# KiCad board Engine.kicad_pcb (continued)
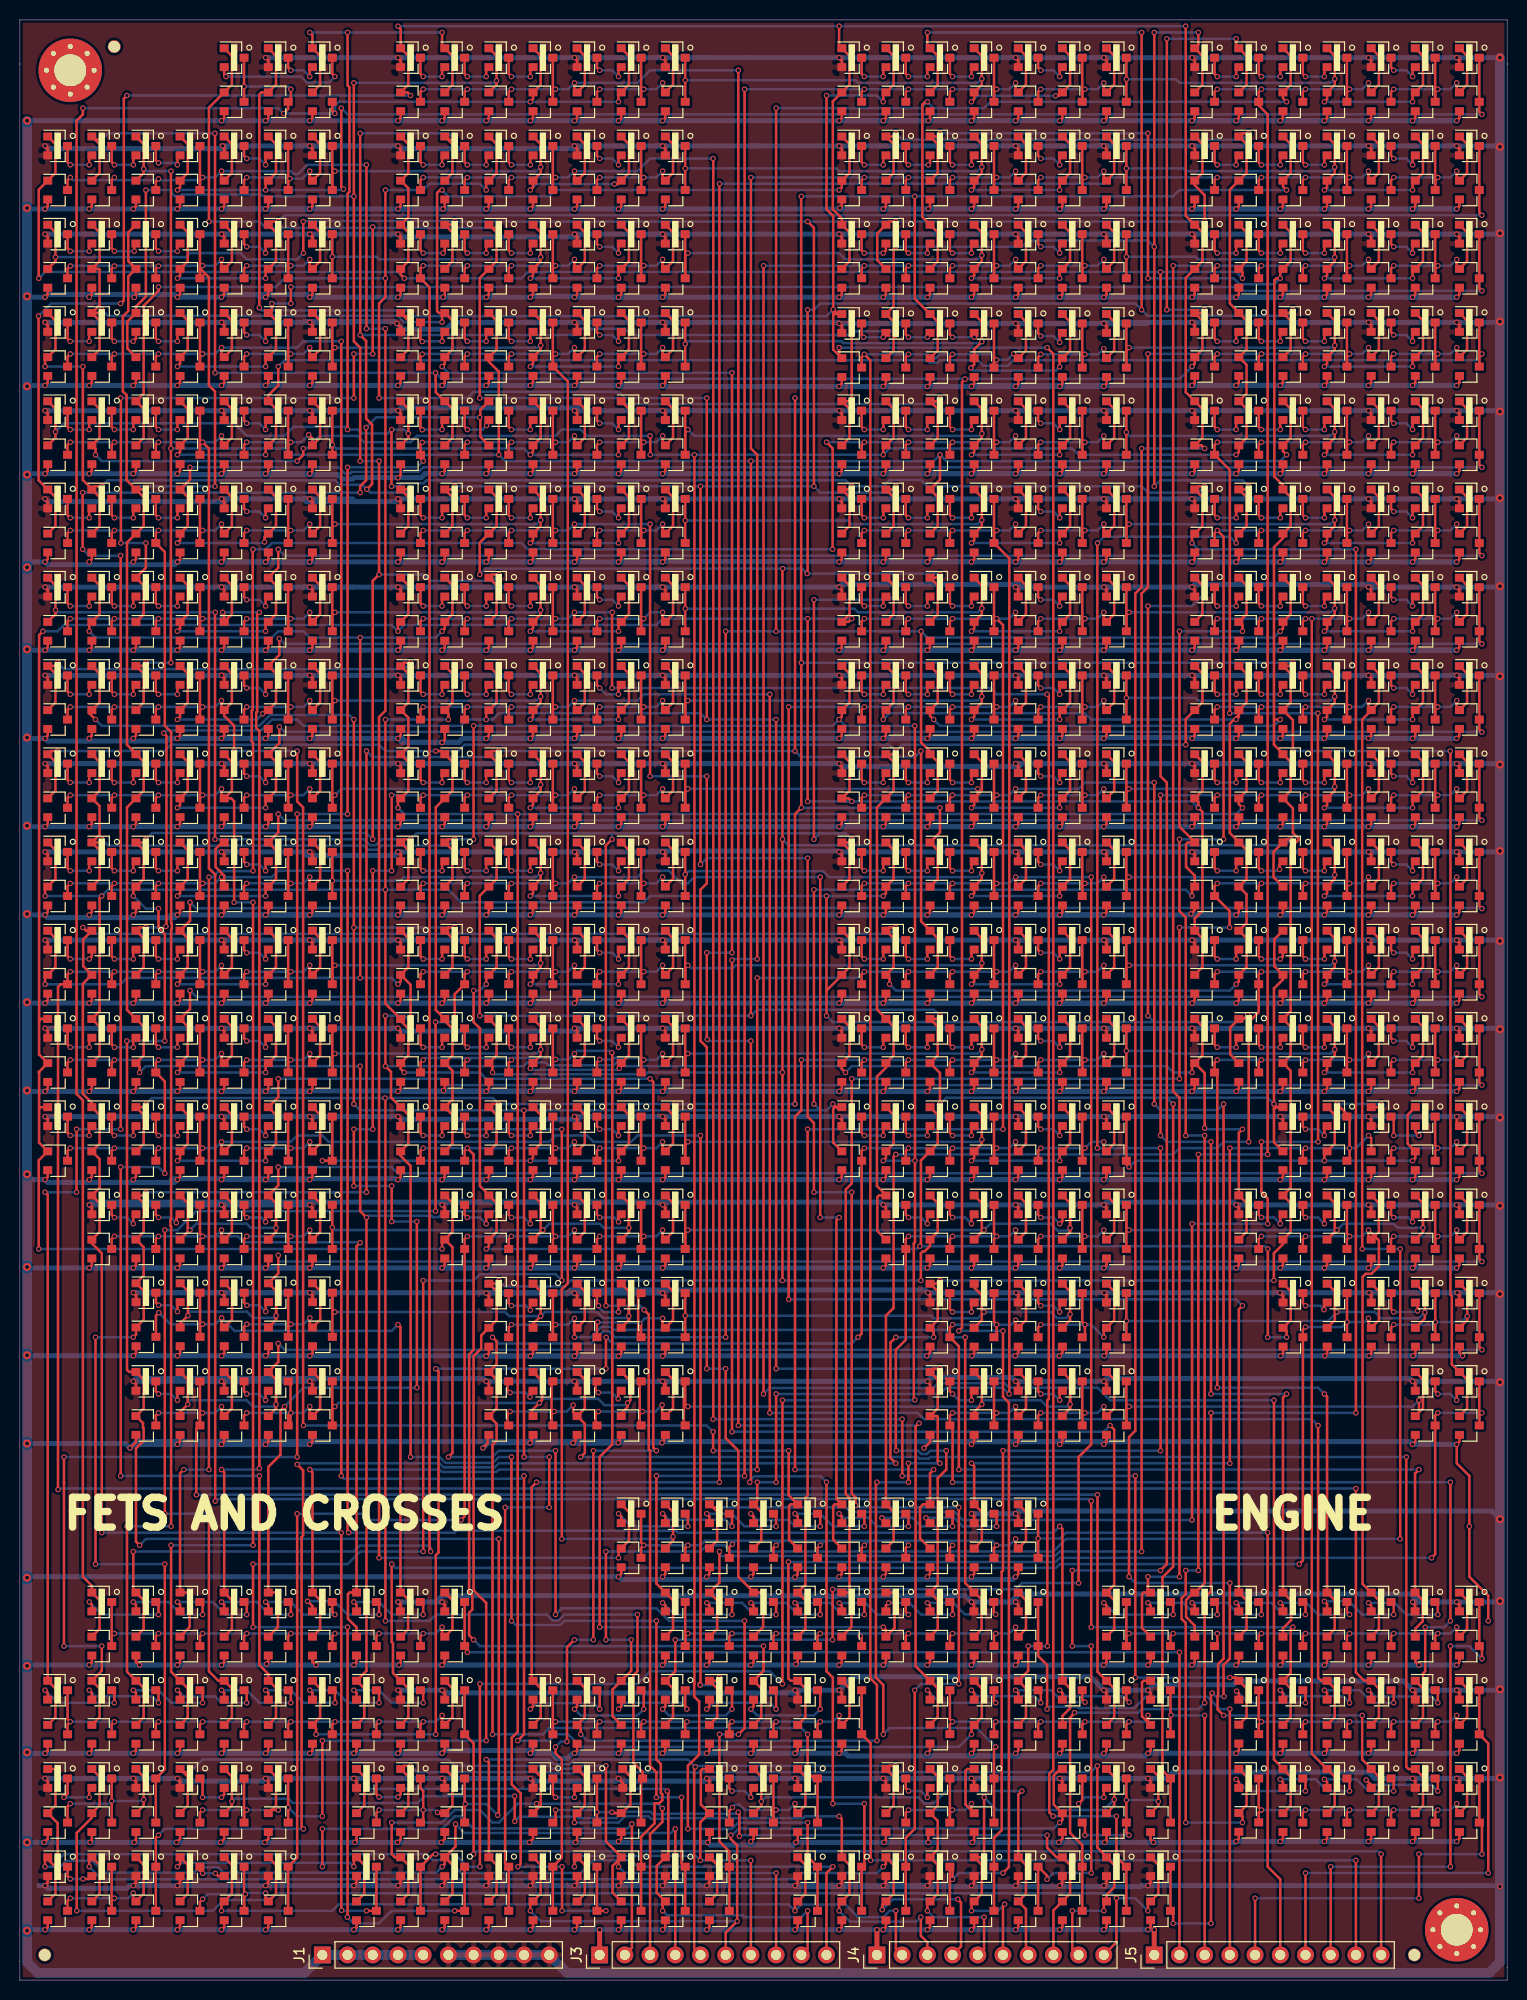
[diagram p0: board, top side]
## Routing (per net, layer and track width the routed paths; a pad name or vN(x,y) marks a point on that pad's centre or on a via; arc(x,y) is an arc through that point) (continued)
/Sheet6049469B/Q7: length 510.5
  Top w0.25: 127.27,185.73 128.05,184.96 128.05,182.07 Q1053.1 127.27,180.7 v1(127.64,180.34) ; Q543.1 92.49,110.95 92.49,113.84 Q541.1 92.71,115.61 v1(92.71,118.11) ; Q907.1 92.49,164.18 92.49,167.07 Q905.1 90.17,169.39 v1(90.17,179.7) ; Q365.1 12.48,84.28 12.48,87.17 Q363.1 12.38,87.94 v1(12.7,88.26) ; Q379.1 48.04,84.28 48.04,87.17 Q377.1 47.58,88.26 v1(48.26,88.26) ; v1(128.27,123.82) 128.27,126.95 Q725.1 128.05,128.73 128.05,131.62 Q723.1 127.95,132.39 v1(128.27,132.71) ; v1(36.8,88.87) 36.83,88.83 v1(36.83,36.19) ; v1(78.11,88.26) 78.11,117.47 v1(78.74,118.11) v1(78.74,132.71) 78.72,132.73 78.72,179.69 v1(78.74,179.7) ; Q358.1 145.83,57.61 145.83,60.5 144.28,62.04 144.28,68.93 144.14,69.07 144.14,123.8 v1(144.12,123.82) ; Q80.3 62.59,20.16 Q79.3 62.75,20.97 61.82,21.9 61.82,30.7 62.23,31.11 v1(62.23,36.83)
  Bottom w0.25: v1(12.7,88.26) 13.3,88.87 v1(36.8,88.87) 47.66,88.87 v1(48.26,88.26) v1(78.11,88.26) ; v1(144.12,123.82) v1(128.27,123.82) ; v1(92.71,118.11) v1(78.74,118.11) ; v1(128.27,132.71) v1(78.74,132.71) ; v1(127.64,180.34) 116.84,180.34 116.2,179.7 v1(90.17,179.7) v1(78.74,179.7) ; v1(36.83,36.19) 41.27,36.19 41.91,36.83 53.09,36.83 53.69,36.23 54.26,36.23 54.86,36.83 v1(62.23,36.83)
/Sheet6049469B/Q8: length 413.1
  Top w0.25: Q86.3 Q85.3 27.94,12.33 v1(27.94,46.99) ; Q569.1 48.04,104.95 48.04,102.06 Q571.1 46.99,101.01 v1(46.99,100.33) ; Q779.1 12.48,149.4 12.48,146.51 Q781.1 10.79,144.82 10.79,124.46 11.7,123.55 Q737.1 12.48,122.73 12.48,119.84 Q739.1 10.79,118.15 10.79,97.74 Q443.1 12.48,96.06 12.48,93.17 Q445.1 12.06,92.02 v1(12.06,91.44) ; Q779.1 10.76,151.11 10.76,159.67 10.38,160.06 10.38,167.6 10.92,168.15 10.92,171.62 Q1067.1 10.92,173.18 10.92,176.07 Q1065.1 ; Q779.1 12.38,150.17 v1(12.7,149.86) ; Q391.1 92.49,87.17 92.49,84.28 Q393.1 90.79,82.58 90.79,74.05 v1(90.68,73.94) ; v1(127.64,64.77) 127.64,65.37 Q321.1 128.06,66.5 128.06,69.39 Q322.1 ; v1(34.92,47.11) v1(34.92,76.83) 34.29,77.47 v1(34.29,92.07) ; v1(34.29,149.86) 34.29,150.5 34.89,151.1 v1(34.89,156.42) ; Q949.1 46.4,155.48 46.4,158.2 47.26,159.06 ; 48.04,77.25 48.04,78.28 Q270.1 47.26,79.1 46.35,80.01 46.35,95.88 45.72,96.52 v1(45.72,99.69) ; 48.04,77.25 48.04,75.39 Q268.1 47.26,73.93 v1(46.99,73.66) ; 48.04,77.25 v1(48.26,77.47) ; v1(125.73,64.77) 125.75,64.79 v1(125.75,73.66)
  Bottom w0.25: v1(46.33,157.44) 35.91,157.44 v1(34.89,156.42) ; v1(12.7,149.86) 32.38,149.86 ; 32.38,149.86 32.83,149.86 ; 32.38,149.86 v1(34.29,149.86) ; v1(46.99,100.33) 46.35,99.69 v1(45.72,99.69) ; v1(46.99,73.66) 90.4,73.66 v1(90.68,73.94) 125.47,73.94 v1(125.75,73.66) ; v1(12.06,91.44) 12.7,92.07 v1(34.29,92.07) ; v1(34.92,76.83) 35.11,77.02 41.45,77.02 41.6,76.87 42.18,76.87 42.78,77.47 v1(48.26,77.47) ; v1(125.73,64.77) v1(127.64,64.77) ; v1(27.94,46.99) 34.81,46.99 v1(34.92,47.11)
/Sheet6049469B/sheet6050A891/sheet5E562435/A: length 20.1
  Top w0.25: Q89.3 Q90.3 22.59,8.54 v1(22.72,8.67) ; Q85.1 25.81,11.6 25.81,8.71 25.03,7.94 24.77,8.2 v1(24.77,8.77) ; Q87.3 18.14,7.89 v1(18.41,8.16)
  Bottom w0.25: v1(18.41,8.16) 18.92,8.67 v1(22.72,8.67) 22.83,8.77 v1(24.77,8.77)
/Sheet6049469B/Sheet60506E58/sheet5E562435/A: length 19.1
  Top w0.25: Q41.3 v1(9.26,18.05) Q42.3 ; Q39.3 4.81,17.51 v1(5.08,17.78) ; Q38.1 12.48,17.6 v1(12.48,18.19) 12.48,20.49 Q37.1
  Bottom w0.25: v1(5.08,17.78) 8.99,17.78 v1(9.26,18.05) 12.33,18.05 v1(12.48,18.19)
/Sheet6049469B/sheet60509B33/sheet5E562435/A: length 20
  Top w0.25: Q63.3 107.32,15.6 v1(107.32,14.6) ; Q62.1 114.71,17.6 v1(114.71,18) 114.71,20.54 113.98,21.27 Q61.1 ; Q65.3 v1(111.49,18.14) Q66.3 111.49,14.88 v1(111.76,14.6)
  Bottom w0.25: v1(111.49,18.14) 114.57,18.14 v1(114.71,18) ; v1(111.76,14.6) v1(107.32,14.6)
/Sheet6049469B/sheet60509B34/sheet5E562435/A: length 20.5
  Top w0.25: Q71.3 Q72.3 93.71,16.88 v1(93.98,17.14) ; v1(95.89,17.78) 95.89,17.09 Q68.1 95.28,17.7 95.28,21.1 95.45,21.27 Q67.1 ; v1(89.54,17.14) 89.27,16.88 Q69.3
  Bottom w0.25: v1(95.89,17.78) 95.25,17.14 v1(93.98,17.14) v1(89.54,17.14)
/Sheet6049469B/sheet60509B35/sheet5E562435/A: length 19.8
  Top w0.25: Q77.3 Q78.3 9.26,7.98 v1(9.53,8.25) ; v1(5.08,8.25) 4.81,7.98 Q75.3 ; Q73.1 12.48,11.6 12.48,8.71 11.7,7.94 11.43,8.2 v1(11.43,8.77)
  Bottom w0.25: v1(5.08,8.25) v1(9.53,8.25) 10.91,8.25 v1(11.43,8.77)
/Sheet6049469B/sheet60509B36/sheet5E562435/A: length 17.8
  Top w0.25: v1(59.66,16.93) 59.76,16.82 Q80.1 60.64,16.82 61.53,17.71 61.53,20.49 Q79.1 ; v1(53.98,17.14) 53.98,16.14 Q81.3 ; Q84.3 58.15,16.92 v1(58.14,16.93) 58.15,16.93 Q83.3
  Bottom w0.25: v1(59.66,16.93) v1(58.14,16.93) 57.92,17.14 v1(53.98,17.14)
/Sheet6049469B/sheet605078C4/sheet5E562435/A: length 17.9
  Top w0.25: v1(36.2,17.14) 35.92,16.88 Q45.3 ; v1(42.08,16.89) 42.15,16.82 Q44.1 43.59,17.6 43.59,20.49 Q43.1 ; Q47.3 40.37,19.32 40.64,19.05 v1(40.64,17.14) 40.64,16.14 Q48.3
  Bottom w0.25: v1(42.08,16.89) 41.83,17.14 v1(40.64,17.14) v1(36.2,17.14)
/Sheet6049469B/sheet60508995/sheet5E562435/A: length 21
  Top w0.25: v1(22.86,17.14) 22.59,16.88 Q54.3 Q53.3 ; Q49.1 25.81,20.49 25.81,17.6 Q50.1 25.35,17.14 v1(26.03,17.14) ; Q51.3 18.14,16.88 v1(18.41,17.14)
  Bottom w0.25: v1(26.03,17.14) v1(22.86,17.14) v1(18.41,17.14)
/Sheet6049469B/sheet60508996/sheet5E562435/A: length 20.5
  Top w0.25: v1(78.11,17.78) 78.11,17.09 Q56.1 79.15,17.6 79.15,20.49 Q55.1 ; v1(76.2,17.14) 75.93,16.88 Q60.3 Q59.3 ; Q57.3 71.48,17.08 v1(71.81,17.4)
  Bottom w0.25: v1(78.11,17.78) 77.47,17.14 v1(76.2,17.14) 73.05,17.14 72.52,17.68 72.08,17.68 v1(71.81,17.4)
/Sheet60494411/Sheet604ADE57/sheet6054A98B/sheet5E562435/A: length 20
  Top w0.25: Q965.1 65.82,193.85 65.82,190.96 Q966.1 64.77,190.45 v1(64.77,191.13) ; Q969.3 Q970.3 62.59,190.23 v1(62.87,190.5) ; v1(58.42,190.5) 58.15,190.23 Q967.3
  Bottom w0.25: v1(58.42,190.5) v1(62.87,190.5) 64.14,190.5 v1(64.77,191.13)
/Sheet60494411/sheet606FAE28/Block: length 55.4
  Top w0.25: Q982.1 96.93,193.85 v1(96.93,191.55) 96.93,190.96 Q984.1 96.16,189.5 v1(95.89,189.23) ; Q989.1 105.82,193.85 105.82,190.96 Q990.1 104.7,189.83 v1(104.35,189.83) ; Q966.3 v1(67.04,191.41) Q965.3
  Bottom w0.25: v1(96.93,191.55) 96.52,191.13 84.45,191.13 84.19,191.41 v1(67.04,191.41) ; v1(104.35,189.83) 96.49,189.83 v1(95.89,189.23)
/Sheet60494411/sheet606FAE28/sheet6054A98B/sheet5E562435/A: length 20
  Top w0.25: Q985.1 110.27,193.85 110.27,190.96 Q986.1 109.22,190.45 v1(109.22,191.13) ; Q989.3 Q990.3 107.05,190.23 v1(107.32,190.5) ; v1(102.87,190.5) 102.6,190.23 Q987.3
  Bottom w0.25: v1(102.87,190.5) v1(107.32,190.5) 108.59,190.5 v1(109.22,191.13)
/Sheet60494411/sheet606FDE93/Block: length 47
  Top w0.25: Q996.1 132.49,193.85 v1(132.49,191.55) 132.49,190.96 Q998.1 131.72,189.5 v1(131.44,189.23) ; Q1003.1 141.38,193.85 141.38,190.96 Q1004.1 140.33,189.91 v1(140.33,189.23) ; Q986.3 v1(111.49,191.5) Q985.3
  Bottom w0.25: v1(111.49,191.5) 116.48,191.5 116.84,191.13 132.08,191.13 v1(132.49,191.55) ; v1(131.44,189.23) v1(140.33,189.23)
/Sheet60494411/sheet606FDE93/sheet6054A98B/sheet5E562435/A: length 20
  Top w0.25: v1(142.88,190.5) 142.6,190.23 Q1004.3 Q1003.3 ; Q999.1 145.83,193.85 145.83,190.96 Q1000.1 144.78,190.45 v1(144.78,191.13) ; v1(138.43,190.5) 138.16,190.23 Q1001.3
  Bottom w0.25: v1(144.78,191.13) 144.14,190.5 v1(142.88,190.5) v1(138.43,190.5)
/Sheet60494411/sheet60700FC2/Block: length 158.3
  Top w0.25: Q999.3 Q1000.3 147.05,188.23 v1(147.32,187.96) ; 16.15,185.73 16.92,184.96 16.92,182.07 Q1012.1 16.15,180.61 v1(15.87,180.34) ; 25.03,185.73 25.81,184.96 25.81,182.07 Q1018.1 24.77,181.02 v1(24.77,180.34) ; v1(32.6,180.43) 32.38,180.65 v1(32.38,188.59)
  Bottom w0.25: v1(15.87,180.34) v1(24.77,180.34) 32.52,180.34 v1(32.6,180.43) ; v1(147.32,187.96) 33.02,187.96 v1(32.38,188.59)
/Sheet60494411/sheet60700FC2/sheet6054A98B/sheet5E562435/A: length 19.9
  Top w0.25: 29.48,185.73 30.26,184.96 30.26,182.07 Q1014.1 29.21,181.56 v1(29.21,182.25) ; Q1017.3 Q1018.3 27.03,181.32 v1(27.21,181.5) ; v1(22.86,181.61) 22.59,181.34 Q1015.3
  Bottom w0.25: v1(29.21,182.25) 28.46,181.5 v1(27.21,181.5) 27.09,181.61 v1(22.86,181.61)
/Sheet60494411/sheet60703EAC/Block: length 48.2
  Top w0.25: Q1013.3 Q1014.3 31.48,181.97 v1(31.75,182.25) ; 51.7,185.73 52.48,184.96 v1(52.48,182.66) 52.48,182.07 Q1026.1 51.7,180.61 v1(51.43,180.34) ; 60.59,185.73 61.37,184.96 61.37,182.07 Q1032.1 60.25,180.94 v1(59.9,180.94)
  Bottom w0.25: v1(31.75,182.25) 52.07,182.25 v1(52.48,182.66) ; v1(51.43,180.34) 52.04,180.94 v1(59.9,180.94)
/Sheet60494411/sheet60703EAC/sheet6054A98B/sheet5E562435/A: length 20
  Top w0.25: 65.04,185.73 65.82,184.96 65.82,182.07 Q1028.1 64.77,181.56 v1(64.77,182.25) ; Q1031.3 Q1032.3 62.59,181.34 v1(62.87,181.61) ; v1(58.42,181.61) 58.15,181.34 Q1029.3
  Bottom w0.25: v1(58.42,181.61) v1(62.87,181.61) 64.14,181.61 v1(64.77,182.25)
/Sheet60494411/sheet60707A9A/Block: length 55.8
  Top w0.25: 96.16,185.73 96.93,184.96 v1(96.93,182.66) 96.93,182.07 Q1040.1 96.16,180.61 v1(95.89,180.34) ; 105.05,185.73 105.82,184.96 105.82,182.07 Q1046.1 104.78,181.02 v1(104.78,180.34) ; Q1028.3 v1(67.04,182.51) Q1027.3
  Bottom w0.25: v1(95.89,180.34) v1(104.78,180.34) ; v1(67.04,182.51) 82.28,182.51 82.55,182.25 96.52,182.25 v1(96.93,182.66)
/Sheet60494411/sheet60707A9A/sheet6054A98B/sheet5E562435/A: length 20
  Top w0.25: 109.49,185.73 110.27,184.96 110.27,182.07 Q1042.1 109.22,181.56 v1(109.22,182.25) ; Q1045.3 Q1046.3 107.05,181.34 v1(107.32,181.61) ; v1(102.87,181.61) 102.6,181.34 Q1043.3
  Bottom w0.25: v1(102.87,181.61) v1(107.32,181.61) 108.59,181.61 v1(109.22,182.25)
/Sheet60494411/sheet60707A9B/Block: length 46.9
  Top w0.25: 131.72,185.73 132.49,184.96 v1(132.49,182.66) 132.49,182.07 Q1054.1 131.72,180.61 v1(131.44,180.34) ; 140.6,185.73 141.38,184.96 141.38,182.07 Q1060.1 140.33,181.02 v1(140.33,180.34) ; Q1042.3 v1(111.49,182.51) Q1041.3
  Bottom w0.25: v1(131.44,180.34) v1(140.33,180.34) ; v1(111.49,182.51) 117.2,182.51 117.48,182.25 132.08,182.25 v1(132.49,182.66)
/Sheet60494411/sheet60707A9B/sheet6054A98B/sheet5E562435/A: length 20
  Top w0.25: 145.05,185.73 145.83,184.96 145.83,182.07 Q1056.1 144.78,181.56 v1(144.78,182.25) ; Q1059.3 Q1060.3 142.6,181.34 v1(142.88,181.61) ; v1(138.43,181.61) 138.16,181.34 Q1057.3
  Bottom w0.25: v1(138.43,181.61) v1(142.88,181.61) 144.14,181.61 v1(144.78,182.25)
/Sheet60494411/sheet60707A9C/Block: length 151.5
  Top w0.25: Q1055.3 Q1056.3 147.05,178.07 v1(147.32,177.8) ; Q1066.1 16.92,176.07 16.92,173.18 Q1068.1 16.15,171.72 v1(15.87,171.45) ; v1(24.77,171.45) 24.77,172.13 Q1074.1 25.81,173.18 25.81,176.07 Q1073.1 25.03,176.89 24.77,177.16 v1(26.03,177.16)
  Bottom w0.25: v1(15.87,171.45) v1(24.77,171.45) ; v1(26.03,177.16) 26.67,177.8 v1(147.32,177.8)
/Sheet60494411/sheet60707A9C/sheet6054A98B/sheet5E562435/A: length 20
  Top w0.25: Q1069.1 30.26,176.07 30.26,173.18 Q1070.1 29.21,172.67 v1(29.21,173.35) ; Q1073.3 Q1074.3 27.03,172.45 v1(27.3,172.72) ; v1(22.86,172.72) 22.59,172.45 Q1071.3
  Bottom w0.25: v1(22.86,172.72) v1(27.3,172.72) 28.57,172.72 v1(29.21,173.35)
/sheet60779195/Block: length 153.3
  Top w0.25: 25.81,75.39 Q254.1 ; 25.81,75.39 25.81,78.28 ; 25.81,75.39 v1(25.81,75.79) 25.81,78.28 ; 25.81,78.28 Q253.1 26.03,80.05 v1(26.03,81.91) ; Q259.1 16.92,78.28 16.92,75.39 16.8,75.27 ; v1(17.14,75.56) 16.85,75.27 16.8,75.27 ; 16.8,75.27 Q260.1 ; Q401.3 Q402.3 147.05,81.55 v1(147.32,81.28)
  Bottom w0.25: v1(17.14,75.56) 17.78,76.2 22.86,76.2 23.27,75.79 v1(25.81,75.79) ; v1(26.03,81.91) 37.45,81.91 38.08,81.28 v1(147.32,81.28)
/sheet60779195/sheet6077F4BF/Block: length 50.7
  Top w0.25: 141.38,75.39 Q242.1 ; 141.38,75.39 141.38,78.28 ; 141.38,75.39 v1(141.38,75.79) 141.38,78.28 ; 141.38,78.28 Q241.1 ; Q247.1 132.49,78.28 132.49,75.39 132.38,75.27 ; v1(132.72,75.56) 132.42,75.27 132.38,75.27 ; 132.38,75.27 Q248.1 ; Q274.3 Q273.3 111.49,75.83 v1(111.76,75.56)
  Bottom w0.25: v1(141.38,75.79) 138.84,75.79 138.43,76.2 133.35,76.2 v1(132.72,75.56) v1(111.76,75.56)
/sheet60779195/sheet6077F4BF/sheet6054A98B/sheet5E562435/A: length 20
  Top w0.25: Q237.1 145.83,78.28 145.83,75.39 Q238.1 144.78,74.88 v1(144.78,75.56) ; Q241.3 Q242.3 142.6,74.66 v1(142.88,74.93) ; v1(138.43,74.93) 138.16,74.66 Q239.3
  Bottom w0.25: v1(138.43,74.93) v1(142.88,74.93) 144.14,74.93 v1(144.78,75.56)
/sheet60779195/sheet60781DDC/Block: length 48.4
  Top w0.25: 61.37,75.39 Q266.1 ; 61.37,75.39 61.37,78.28 ; 61.37,75.39 v1(61.37,75.79) 61.37,78.28 ; 61.37,78.28 Q265.1 ; Q250.3 v1(31.48,75.83) Q249.3 ; 52.37,75.27 52.41,75.27 v1(52.7,75.56) ; 52.37,75.27 Q272.1 ; 52.37,75.27 52.48,75.39 52.48,78.28 Q271.1
  Bottom w0.25: v1(61.37,75.79) 58.83,75.79 58.42,76.2 53.34,76.2 v1(52.7,75.56) 31.75,75.56 v1(31.48,75.83)
/sheet60779195/sheet60781DDC/sheet6054A98B/sheet5E562435/A: length 20
  Top w0.25: Q261.1 65.82,78.28 65.82,75.39 Q262.1 64.77,74.88 v1(64.77,75.56) ; Q265.3 Q266.3 62.59,74.66 v1(62.87,74.93) ; v1(58.42,74.93) 58.15,74.66 Q263.3
  Bottom w0.25: v1(58.42,74.93) v1(62.87,74.93) 64.14,74.93 v1(64.77,75.56)
/sheet60779195/sheet60781390/sheet6054A98B/sheet5E562435/A: length 20
  Top w0.25: Q249.1 30.26,78.28 30.26,75.39 Q250.1 29.21,74.88 v1(29.21,75.56) ; Q253.3 Q254.3 27.03,74.66 v1(27.3,74.93) ; v1(22.86,74.93) 22.59,74.66 Q251.3
  Bottom w0.25: v1(22.86,74.93) v1(27.3,74.93) 28.57,74.93 v1(29.21,75.56)
/sheet60779195/sheet60782894/Block: length 59.2
  Top w0.25: Q261.3 Q262.3 67.04,75.29 v1(67.31,75.56) ; 105.82,75.39 Q278.1 ; 105.82,75.39 105.82,78.28 ; 105.82,75.39 v1(105.82,75.79) 105.82,78.28 ; 105.82,78.28 Q277.1 ; Q283.1 96.93,78.28 96.93,75.39 96.82,75.27 ; v1(97.16,75.56) 96.86,75.27 96.82,75.27 ; 96.82,75.27 Q284.1
  Bottom w0.25: v1(105.82,75.79) 105.55,75.51 104.57,75.51 103.89,76.2 97.79,76.2 v1(97.16,75.56) v1(67.31,75.56)
/sheet60779195/sheet60782894/sheet6054A98B/sheet5E562435/A: length 20
  Top w0.25: Q273.1 110.27,78.28 110.27,75.39 Q274.1 109.22,74.88 v1(109.22,75.56) ; Q277.3 Q278.3 107.05,74.66 v1(107.32,74.93) ; v1(102.87,74.93) 102.6,74.66 Q275.3
  Bottom w0.25: v1(102.87,74.93) v1(107.32,74.93) 108.59,74.93 v1(109.22,75.56)
Net-(Q40-Pad3): length 5.7
  Top w0.25: v1(6.99,18.41) 6.99,19.1 Q41.2 ; Q40.3 4.81,18.78 v1(4.44,18.41)
  Bottom w0.25: v1(4.44,18.41) v1(6.99,18.41)
Net-(Q46-Pad3): length 4.9
  Top w0.25: v1(38.1,18.45) 38.37,18.72 Q47.2 ; v1(36.2,18.45) 35.92,18.72 Q46.3
  Bottom w0.25: v1(38.1,18.45) v1(36.2,18.45)
Net-(Q52-Pad3): length 5
  Top w0.25: v1(18.41,18.41) 18.41,20.05 Q52.3 ; v1(20.32,18.41) 20.59,18.69 Q53.2
  Bottom w0.25: v1(20.32,18.41) v1(18.41,18.41)
Net-(Q58-Pad3): length 4.6
  Top w0.25: v1(73.66,18.41) 73.66,19.1 Q59.2 ; Q58.3 71.48,19.32 v1(71.76,19.05)
  Bottom w0.25: v1(73.66,18.41) 73.03,19.05 v1(71.76,19.05)
Net-(Q64-Pad3): length 6.6
  Top w0.25: Q65.2 109.22,19.1 v1(109.22,18.41) ; Q64.3 107.05,18.14 v1(106.68,17.78)
  Bottom w0.25: v1(109.22,18.41) 107.32,18.41 v1(106.68,17.78)
Net-(Q70-Pad3): length 4.6
  Top w0.25: v1(89.54,19.05) 89.27,19.32 Q70.3 ; Q71.2 91.44,19.1 v1(91.44,18.41)
  Bottom w0.25: v1(91.44,18.41) 90.81,19.05 v1(89.54,19.05)
Net-(Q76-Pad3): length 3.6
  Top w0.25: Q77.2 6.97,10.19 v1(6.36,10.19) ; Q76.3 4.81,10.46 v1(5.08,10.19)
  Bottom w0.25: v1(6.36,10.19) v1(5.08,10.19)
Net-(Q82-Pad3): length 5
  Top w0.25: v1(53.98,18.41) 53.7,18.69 Q82.3 ; v1(55.88,18.41) 55.88,19.1 Q83.2
  Bottom w0.25: v1(53.98,18.41) v1(55.88,18.41)
Net-(Q88-Pad3): length 3.1
  Top w0.25: Q88.3 18.14,11.03 v1(18.41,10.76) ; Q89.2 19.97,10.48 v1(19.69,10.76)
  Bottom w0.25: v1(19.69,10.76) v1(18.41,10.76)
Net-(Q92-Pad3): length 10
  Top w0.25: v1(142.88,27.94) 142.88,28.94 Q92.3 ; Q93.2 136.16,28.94 v1(135.89,29.21)
  Bottom w0.25: v1(135.89,29.21) 136.52,28.57 142.24,28.57 v1(142.88,27.94)
Net-(Q93-Pad3): length 10
  Top w0.25: v1(138.43,27.94) 138.43,28.94 Q93.3 ; v1(131.44,29.21) 131.72,28.94 Q96.2
  Bottom w0.25: v1(138.43,27.94) 136.27,27.94 135,29.21 v1(131.44,29.21)
Net-(Q96-Pad3): length 10
  Top w0.25: Q97.2 127.27,28.94 v1(127,29.21) ; Q96.3 133.98,28.94 v1(133.98,27.94)
  Bottom w0.25: v1(127,29.21) 127.6,28.61 133.32,28.61 v1(133.98,27.94)
Net-(Q97-Pad3): length 9.7
  Top w0.25: v1(129.54,27.94) 129.54,28.94 Q97.3 ; Q98.2 122.83,28.89 v1(122.61,29.11)
  Bottom w0.25: v1(129.54,27.94) 123.78,27.94 v1(122.61,29.11)
Net-(Q103-Pad3): length 9.8
  Top w0.25: Q103.3 142.88,37.81 v1(142.88,36.83) ; v1(135.89,38.01) 136.16,37.74 Q104.2
  Bottom w0.25: v1(142.88,36.83) 139.7,36.83 138.52,38.01 v1(135.89,38.01)
Net-(Q104-Pad3): length 10.1
  Top w0.25: Q104.3 138.43,37.83 v1(138.43,36.83) ; Q107.2 131.72,37.9 v1(131.45,38.17)
  Bottom w0.25: v1(131.45,38.17) 133.91,38.17 135.25,36.83 v1(138.43,36.83)
Net-(Q107-Pad3): length 9.8
  Top w0.25: Q107.3 133.72,37.1 v1(133.98,36.83) ; Q108.2 127.27,37.74 v1(127,38.01)
  Bottom w0.25: v1(127,38.01) 129.63,38.01 130.81,36.83 v1(133.98,36.83)
Net-(Q108-Pad3): length 9.8
  Top w0.25: Q108.3 129.54,37.83 v1(129.54,36.83) ; v1(122.55,38.01) 122.83,37.74 Q109.2
  Bottom w0.25: v1(129.54,36.83) 127.29,36.83 126.11,38.01 v1(122.55,38.01)
Net-(Q109-Pad3): length 9.8
  Top w0.25: Q109.3 125.1,37.83 v1(125.1,36.83) ; v1(118.11,38.01) 118.38,37.74 Q113.2
  Bottom w0.25: v1(118.11,38.01) 121.67,38.01 122.85,36.83 v1(125.1,36.83)
Net-(Q113-Pad3): length 9.8
  Top w0.25: Q113.3 120.65,37.83 v1(120.65,36.83) ; Q114.2 113.94,37.74 v1(113.67,38.01)
  Bottom w0.25: v1(120.65,36.83) 118.4,36.83 117.22,38.01 v1(113.67,38.01)
Net-(Q114-Pad3): length 9.8
  Top w0.25: Q114.3 116.2,37.83 v1(116.2,36.83) ; v1(109.22,38.01) 109.49,37.74 Q115.2
  Bottom w0.25: v1(116.2,36.83) 110.4,36.83 v1(109.22,38.01)
Net-(Q123-Pad3): length 9.6
  Top w0.25: Q123.3 98.43,46.72 v1(98.43,45.72) ; Q124.2 91.71,46.17 v1(91.3,46.57)
  Bottom w0.25: v1(91.3,46.57) 94.14,46.57 95,45.72 v1(98.43,45.72)
Net-(Q124-Pad3): length 9.6
  Top w0.25: v1(93.98,45.72) 93.98,46.72 Q124.3 ; Q125.2 87.27,46.17 v1(86.86,46.57)
  Bottom w0.25: v1(86.86,46.57) 89.95,46.57 90.8,45.72 v1(93.98,45.72)
Net-(Q125-Pad3): length 10
  Top w0.25: Q125.3 89.54,46.72 v1(89.54,45.72) ; v1(82.55,46.99) 82.82,46.72 Q129.2
  Bottom w0.25: v1(89.54,45.72) 86.36,45.72 85.5,46.57 82.97,46.57 v1(82.55,46.99)
Net-(Q129-Pad3): length 10
  Top w0.25: Q129.3 85.09,46.72 v1(85.09,45.72) ; Q130.2 78.38,46.72 v1(78.11,46.99)
  Bottom w0.25: v1(78.11,46.99) 80.65,46.99 81.92,45.72 v1(85.09,45.72)
Net-(Q130-Pad3): length 10
  Top w0.25: v1(80.65,45.72) 80.65,46.72 Q130.3 ; Q131.2 73.93,46.72 v1(73.66,46.99)
  Bottom w0.25: v1(73.66,46.99) 74.3,46.35 77.47,46.35 78.11,45.72 v1(80.65,45.72)
Net-(Q131-Pad3): length 10
  Top w0.25: v1(76.2,45.72) 76.2,46.72 Q131.3 ; Q135.2 69.48,46.72 v1(69.22,46.99)
  Bottom w0.25: v1(76.2,45.72) 73.03,45.72 71.76,46.99 v1(69.22,46.99)
Net-(Q135-Pad3): length 10
  Top w0.25: Q136.2 65.04,46.72 v1(64.77,46.99) ; Q135.3 71.76,46.72 v1(71.76,45.72)
  Bottom w0.25: v1(64.77,46.99) 65.37,46.39 71.09,46.39 v1(71.76,45.72)
Net-(Q136-Pad3): length 10
  Top w0.25: Q137.2 60.59,46.72 v1(60.32,46.99) ; v1(67.31,45.72) 67.31,46.72 Q136.3
  Bottom w0.25: v1(67.31,45.72) 67.3,45.73 61.59,45.73 v1(60.32,46.99)
Net-(Q142-Pad3): length 10.1
  Top w0.25: Q142.3 142.88,20.05 v1(142.88,19.05) ; v1(135.65,20.17) 136.16,19.66 Q143.2
  Bottom w0.25: v1(135.65,20.17) 136.13,19.69 142.24,19.69 v1(142.88,19.05)
Net-(Q143-Pad3): length 9.8
  Top w0.25: Q143.3 138.43,20.05 v1(138.43,19.05) ; Q146.2 131.72,19.96 v1(131.44,20.23)
  Bottom w0.25: v1(138.43,19.05) 135.88,19.05 134.7,20.23 v1(131.44,20.23)
Net-(Q146-Pad3): length 9.8
  Top w0.25: Q146.3 133.98,20.05 v1(133.98,19.05) ; Q147.2 127.27,19.96 v1(127,20.23)
  Bottom w0.25: v1(127,20.23) 130.56,20.23 131.74,19.05 v1(133.98,19.05)
Net-(Q147-Pad3): length 9.8
  Top w0.25: Q147.3 129.54,20.05 v1(129.54,19.05) ; Q148.2 122.83,19.96 v1(122.55,20.23)
  Bottom w0.25: v1(129.54,19.05) 123.73,19.05 v1(122.55,20.23)
Net-(Q153-Pad3): length 9.7
  Top w0.25: Q154.2 91.71,37.74 v1(91.44,38.01) ; Q153.3 98.13,37.05 v1(98.33,36.85)
  Bottom w0.25: v1(98.33,36.85) 95.23,36.85 94.07,38.01 v1(91.44,38.01)
Net-(Q154-Pad3): length 9.3
  Top w0.25: v1(93.98,36.83) 93.98,37.83 Q154.3 ; v1(87.54,38.01) 87.27,37.73 Q157.2
  Bottom w0.25: v1(87.54,38.01) 89.63,38.01 90.81,36.83 v1(93.98,36.83)
Net-(Q157-Pad3): length 9.8
  Top w0.25: v1(82.56,37.99) 82.82,37.73 Q158.2 ; Q157.3 89.27,37.1 v1(89.54,36.83)
  Bottom w0.25: v1(89.54,36.83) 86.36,36.83 85.2,37.99 v1(82.56,37.99)
Net-(Q158-Pad3): length 9.8
  Top w0.25: Q159.2 78.38,37.74 v1(78.11,38.01) ; v1(85.09,36.83) 85.09,37.83 Q158.3
  Bottom w0.25: v1(78.11,38.01) 81.66,38.01 82.84,36.83 v1(85.09,36.83)
Net-(Q159-Pad3): length 9.8
  Top w0.25: v1(80.65,36.83) 80.65,37.83 Q159.3 ; v1(73.66,38.01) 73.93,37.74 Q163.2
  Bottom w0.25: v1(80.65,36.83) 78.4,36.83 77.22,38.01 v1(73.66,38.01)
Net-(Q163-Pad3): length 9.8
  Top w0.25: v1(69.22,38.01) 69.48,37.74 Q164.2 ; Q163.3 76.2,37.83 v1(76.2,36.83)
  Bottom w0.25: v1(76.2,36.83) 73.95,36.83 72.77,38.01 v1(69.22,38.01)
Net-(Q164-Pad3): length 9.8
  Top w0.25: Q164.3 71.76,37.83 v1(71.76,36.83) ; Q165.2 65.04,37.74 v1(64.77,38.01)
  Bottom w0.25: v1(71.76,36.83) 65.95,36.83 v1(64.77,38.01)
Net-(Q171-Pad3): length 10.6
  Top w0.25: Q171.3 80.65,28.94 v1(80.65,27.3) ; v1(73.66,27.3) 73.93,27.57 Q174.2
  Bottom w0.25: v1(73.66,27.3) 74.3,26.67 80.01,26.67 v1(80.65,27.3)
Net-(Q174-Pad3): length 10.6
  Top w0.25: v1(69.22,27.3) 69.48,27.57 Q175.2 ; v1(76.2,27.3) 76.2,28.94 Q174.3
  Bottom w0.25: v1(76.2,27.3) 75.57,27.94 69.85,27.94 v1(69.22,27.3)
Net-(Q175-Pad3): length 10.6
  Top w0.25: v1(71.76,27.3) 71.76,28.94 Q175.3 ; Q176.2 65.04,27.57 v1(64.77,27.3)
  Bottom w0.25: v1(71.76,27.3) 71.12,26.67 65.41,26.67 v1(64.77,27.3)
Net-(Q176-Pad3): length 10.5
  Top w0.25: Q179.2 60.59,27.57 v1(60.32,27.3) ; v1(67.21,27.3) 67.04,27.48 Q176.3
  Bottom w0.25: v1(67.21,27.3) 66.58,27.94 60.96,27.94 v1(60.32,27.3)
Net-(Q179-Pad3): length 10.6
  Top w0.25: Q179.3 62.87,28.94 v1(62.87,27.3) ; Q180.2 56.15,27.57 v1(55.88,27.3)
  Bottom w0.25: v1(55.88,27.3) 56.51,26.67 62.23,26.67 v1(62.87,27.3)
Net-(Q180-Pad3): length 10.6
  Top w0.25: v1(51.43,27.3) 51.7,27.57 Q181.2 ; v1(58.42,27.3) 58.42,28.94 Q180.3
  Bottom w0.25: v1(51.43,27.3) 52.04,27.91 57.82,27.91 v1(58.42,27.3)
Net-(Q188-Pad3): length 9.9
  Top w0.25: Q189.2 105.05,28.94 v1(104.78,29.21) ; Q188.3 111.49,28.28 v1(111.77,28)
  Bottom w0.25: v1(104.78,29.21) 105.38,28.6 111.17,28.6 v1(111.77,28)
Net-(Q189-Pad3): length 9.9
  Top w0.25: Q192.2 100.6,28.94 v1(100.33,29.21) ; Q189.3 107.05,28.28 v1(107.32,28)
  Bottom w0.25: v1(107.32,28) 105.09,28 103.89,29.21 v1(100.33,29.21)
Net-(Q192-Pad3): length 10
  Top w0.25: v1(102.87,27.94) 102.87,28.94 Q192.3 ; Q193.2 96.16,28.94 v1(95.89,29.21)
  Bottom w0.25: v1(95.89,29.21) 96.49,28.61 102.2,28.61 v1(102.87,27.94)
Net-(Q193-Pad3): length 9.8
  Top w0.25: Q194.2 91.71,28.94 v1(91.44,29.21) ; v1(98.33,27.94) 98.16,28.11 Q193.3
  Bottom w0.25: v1(98.33,27.94) 92.71,27.94 v1(91.44,29.21)
Net-(Q201-Pad3): length 10
  Top w0.25: v1(33.66,29.21) 33.92,28.94 Q202.2 ; Q201.3 40.64,28.94 v1(40.64,27.94)
  Bottom w0.25: v1(33.66,29.21) 36.2,29.21 37.46,27.94 v1(40.64,27.94)
Net-(Q202-Pad3): length 10
  Top w0.25: v1(29.21,29.21) 29.48,28.94 Q203.2 ; Q202.3 36.2,28.94 v1(36.2,27.94)
  Bottom w0.25: v1(29.21,29.21) 31.75,29.21 33.02,27.94 v1(36.2,27.94)
Net-(Q203-Pad3): length 10
  Top w0.25: v1(24.77,29.21) 25.03,28.94 Q207.2 ; Q203.3 31.75,28.94 v1(31.75,27.94)
  Bottom w0.25: v1(31.75,27.94) 28.57,27.94 27.3,29.21 v1(24.77,29.21)
Net-(Q207-Pad3): length 10
  Top w0.25: v1(20.32,29.21) 20.59,28.94 Q208.2 ; Q207.3 27.3,28.94 v1(27.3,27.94)
  Bottom w0.25: v1(20.32,29.21) 22.86,29.21 24.13,27.94 v1(27.3,27.94)
Net-(Q208-Pad3): length 10
  Top w0.25: v1(15.87,29.21) 16.15,28.94 Q209.2 ; Q208.3 22.86,28.94 v1(22.86,27.94)
  Bottom w0.25: v1(15.87,29.21) 16.51,28.57 19.68,28.57 20.32,27.94 v1(22.86,27.94)
Net-(Q209-Pad3): length 10
  Top w0.25: v1(11.43,29.21) 11.7,28.94 Q213.2 ; Q209.3 18.41,28.94 v1(18.41,27.94)
  Bottom w0.25: v1(11.43,29.21) 13.97,29.21 15.24,27.94 v1(18.41,27.94)
Net-(Q213-Pad3): length 10
  Top w0.25: v1(6.99,29.21) 7.26,28.94 Q214.2 ; Q213.3 13.97,28.94 v1(13.97,27.94)
  Bottom w0.25: v1(6.99,29.21) 7.59,28.61 13.3,28.61 v1(13.97,27.94)
Net-(Q214-Pad3): length 10
  Top w0.25: v1(2.54,29.21) 2.81,28.94 Q215.2 ; Q214.3 9.53,28.94 v1(9.53,27.94)
  Bottom w0.25: v1(2.54,29.21) 3.81,27.94 v1(9.53,27.94)
Net-(Q219-Pad3): length 10
  Top w0.25: v1(33.66,38.1) 33.92,37.83 Q220.2 ; Q219.3 40.64,37.81 v1(40.64,36.83)
  Bottom w0.25: v1(33.66,38.1) 36.2,38.1 37.46,36.83 v1(40.64,36.83)
Net-(Q220-Pad3): length 10.4
  Top w0.25: Q220.3 36.2,37.83 v1(36.2,36.83) ; Q223.2 29.48,37.69 v1(28.99,38.18)
  Bottom w0.25: v1(28.99,38.18) 31.67,38.18 33.02,36.83 v1(36.2,36.83)
Net-(Q223-Pad3): length 10
  Top w0.25: Q224.2 25.03,37.83 v1(24.77,38.1) ; Q223.3 31.48,37.1 v1(31.75,36.83)
  Bottom w0.25: v1(24.77,38.1) 27.3,38.1 28.57,36.83 v1(31.75,36.83)
Net-(Q224-Pad3): length 10
  Top w0.25: v1(20.32,38.1) 20.59,37.83 Q225.2 ; Q224.3 27.3,37.83 v1(27.3,36.83)